# Altium PCB PLD.PcbDoc (part 2 of 5)
Units mm, origin at the board's own origin, x right, y up, seen from the top; angles counter-clockwise.
Board outline 90.25 x 94.44 mm, 6 copper layers (Top, GND, Signal Layer 1, Power, Signal2, Bottom), stack 1.297 mm thick; 378 components, 254 nets, 1301 pads, 704 vias.
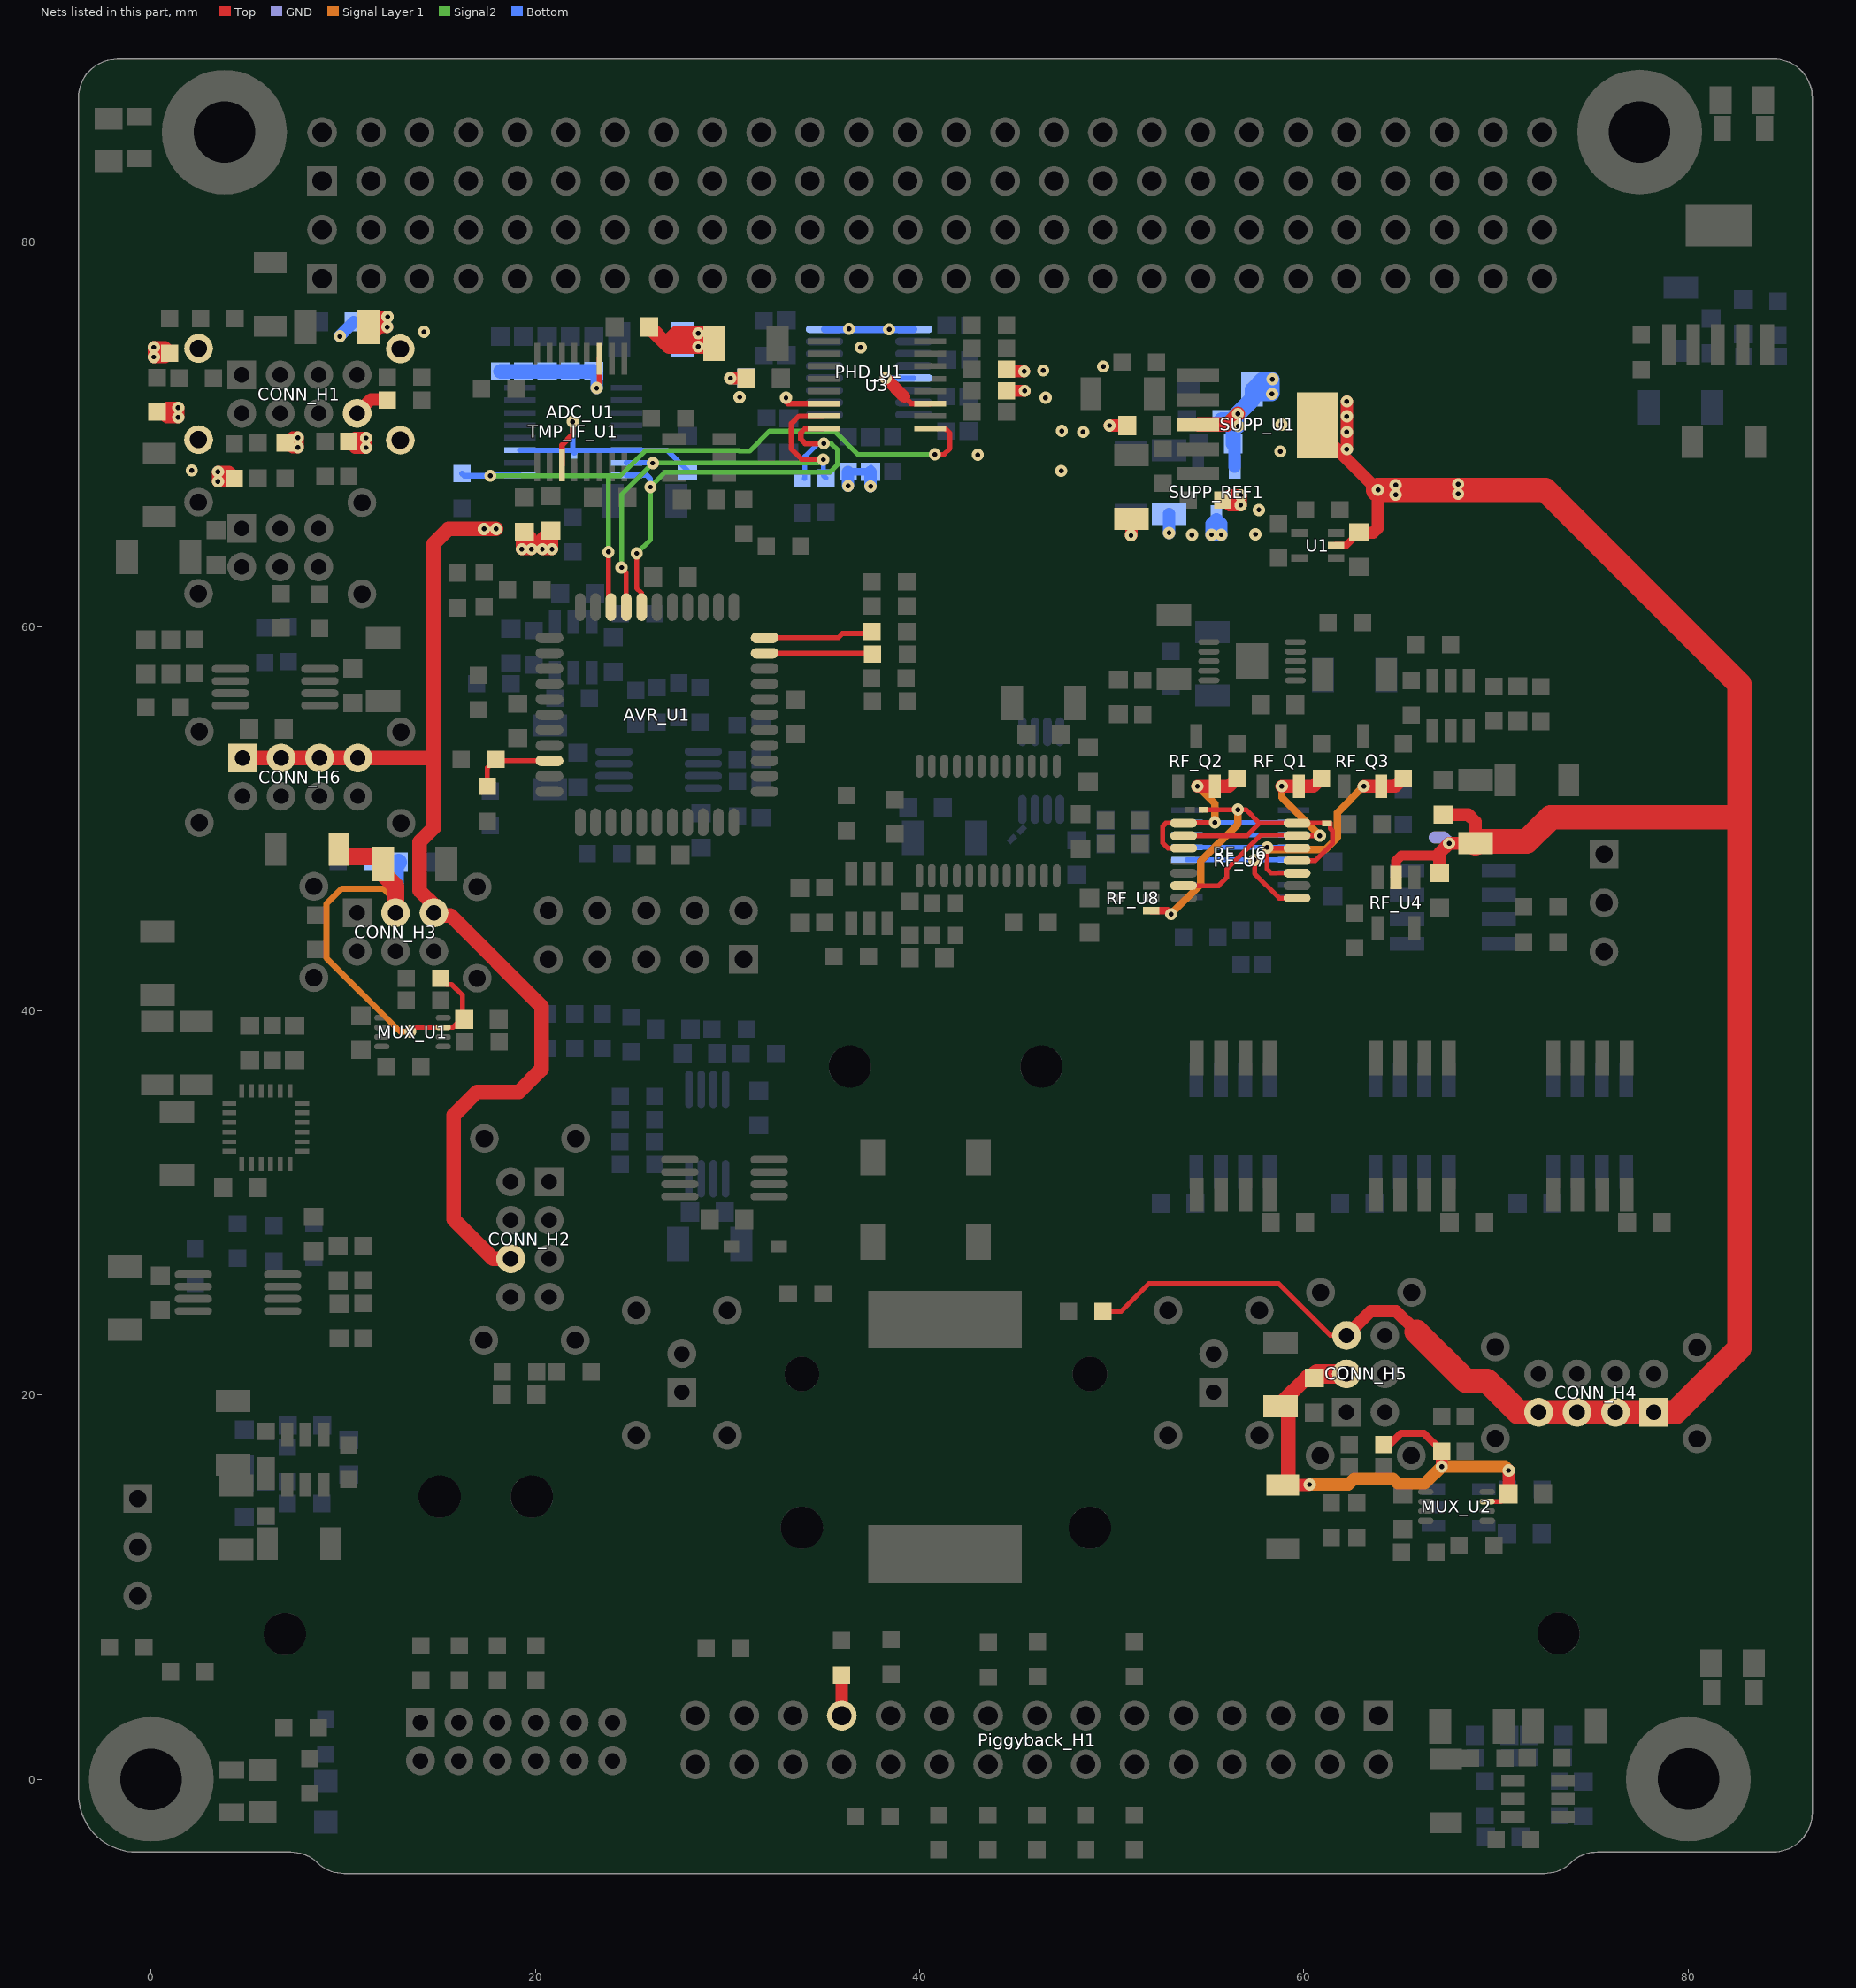
[diagram p6: the nets of this part, all layers, seen from the top]

## Footprints (in the part's own frame and the unit in brackets; to place one, negate y for a bottom-side part, rotate by r counter-clockwise, add the part's x,y. Pads: shape width x height; smd on the part's side, far side on the other; paste and mask are expansions set on the pad) (continued)
SSOP-16 [mm] "SOP, 16-Leads, Body 5x4mm, Pitch 0.635mm, IPC High Density"
  oval 1.95x0.4 smd: 1(-2.325,2.222) 2(-2.325,1.587) 3(-2.325,0.953) 4(-2.325,0.318) 5(-2.325,-0.318) 6(-2.325,-0.953) 7(-2.325,-1.587) 8(-2.325,-2.222) 9(2.325,-2.222) 10(2.325,-1.587) 11(2.325,-0.953) 12(2.325,-0.318) 13(2.325,0.318) 14(2.325,0.953) 15(2.325,1.587) 16(2.325,2.222)
  silkscreen extent -2.45,-2.5 0.95,3.1, body extent -3.13,-2.5 3.13,2.5, height 1.74
Tant_592D_X [mm] "Vishay 592D tantalum series capacitor."
  rect 3x8 smd: 1(-6.1,0) 2(6.1,0)
  silkscreen extent -3.7,-4 4,4, body extent -7.75,-3.8 6.65,3.8, height 2
TI-DCQ [mm] "Texas Instruments DCQ (R-PDSO-G6) package"
  rect 0.7x2.15 smd: 1(-2.6,-3.6) 2(-1.325,-3.6) 3(-0.05,-3.6) 4(1.25,-3.6) 5(2.525,-3.6)
  rect 3.45x2.15 smd: 6(0,2.6)
  silkscreen extent -3.3,-2.15 3.25,1.2, body extent -3.32,-4.07 3.23,3.19, height 1.8
TQFP-44 [mm]
  oval 1.45x0.55 smd: 1(-5.591,4.005) 2(-5.591,3.205) 3(-5.591,2.405) 4(-5.591,1.605) 5(-5.591,0.805) 6(-5.591,0.005) 7(-5.591,-0.795) 8(-5.591,-1.595) 9(-5.591,-2.395) 10(-5.591,-3.195) 11(-5.591,-3.995) 23(5.609,-3.995) 24(5.609,-3.195) 25(5.609,-2.395) 26(5.609,-1.595) 27(5.609,-0.795) 28(5.609,0.005) 29(5.609,0.805) 30(5.609,1.605) 31(5.609,2.405) 32(5.609,3.205) 33(5.609,4.005)
  oval 0.55x1.45 smd: 12(-3.991,-5.595) 13(-3.191,-5.595) 14(-2.391,-5.595) 15(-1.591,-5.595) 16(-0.791,-5.595) 17(0.009,-5.595) 18(0.809,-5.595) 19(1.609,-5.595) 20(2.409,-5.595) 21(3.209,-5.595) 22(4.009,-5.595) 34(4.009,5.605) 35(3.209,5.605) 36(2.409,5.605) 37(1.609,5.605) 38(0.809,5.605) 39(0.009,5.605) 40(-0.791,5.605) 41(-1.591,5.605) 42(-2.391,5.605) 43(-3.191,5.605) 44(-3.991,5.605)
  silkscreen extent -5.72,-4.45 4.46,4.95, body extent -6,-6 6,6, height 1.07
TSSOP8_L [mm] "TSSOP, 8-Leads, Pitch 0.65mm, IPC High Density"
  oval 1.95x0.4 smd: 1(-2.325,2.222) 2(-2.325,1.587) 3(-2.325,0.953) 4(-2.325,0.318) 5(2.325,0.318) 6(2.325,0.953) 7(2.325,1.587) 8(2.325,2.222)
  silkscreen extent -1.52,0 1.02,3.05, body extent -2.5,-0.28 2.5,2.82, height 1.1
TSSOP14 [mm] "TSSOP, 14-Leads, Body 5.00x4.40mm, Pitch 0.65mm, IPC Medium Density"
  oval 1.4x0.45 smd: 1(-2.95,1.95) 2(-2.95,1.3) 3(-2.95,0.65) 4(-2.95,0) 5(-2.95,-0.65) 6(-2.95,-1.3) 7(-2.95,-1.95) 8(2.95,-1.95) 9(2.95,-1.3) 10(2.95,-0.65) 11(2.95,0) 12(2.95,0.65) 13(2.95,1.3) 14(2.95,1.95)
  silkscreen extent -3.07,-2.55 1.85,2.85, body extent -3.2,-2.55 3.2,2.55, height 1.2
TSSOP16 [mm] "Shrink Small Outline; 16 Leads; Body Width 4.4 mm; Pitch 0.65 mm"
  rect 0.3x1.65 smd: 1(-2.275,-2.775) 2(-1.625,-2.775) 3(-0.975,-2.775) 4(-0.325,-2.775) 5(0.325,-2.775) 6(0.975,-2.775) 7(1.625,-2.775) 8(2.275,-2.775) 9(2.275,2.775) 10(1.625,2.775) 11(0.975,2.775) 12(0.325,2.775) 13(-0.325,2.775) 14(-0.975,2.775) 15(-1.625,2.775) 16(-2.275,2.775)
  silkscreen extent -3.1,-2.9 2.55,1.55, body extent -2.5,-3.2 2.5,3.2, height 1.1
TSSOP-24-RU-24-N [mm] "24-Lead Thin Shrink Small Outline Package TSSOP (RU-24) High density"
  oval 1.2x0.4 smd: 1(-2.85,3.575) 2(-2.85,2.925) 3(-2.85,2.275) 4(-2.85,1.625) 5(-2.85,0.975) 6(-2.85,0.325) 7(-2.85,-0.325) 8(-2.85,-0.975) 9(-2.85,-1.625) 10(-2.85,-2.275) 11(-2.85,-2.925) 12(-2.85,-3.575) 13(2.85,-3.575) 14(2.85,-2.925) 15(2.85,-2.275) 16(2.85,-1.625) 17(2.85,-0.975) 18(2.85,-0.325) 19(2.85,0.325) 20(2.85,0.975) 21(2.85,1.625) 22(2.85,2.275) 23(2.85,2.925) 24(2.85,3.575)
  silkscreen extent -2.97,-3.95 1.85,4.45, body extent -3.19,-3.95 3.19,3.95, height 1.1
VSSOP-8 [mm] "TSSOP, 8-Leads, Body 2,00x2,30mm, Pitch 0,50mm, IPC Medium Density"
  oval 0.8x0.3 smd: 1(-1.6,0.75) 2(-1.6,0.25) 3(-1.6,-0.25) 4(-1.6,-0.75) 5(1.6,-0.75) 6(1.6,-0.25) 7(1.6,0.25) 8(1.6,0.75)
  silkscreen extent -1.72,-1.05 0.8,1.57, body extent -1.6,-1.05 1.6,1.05, height 0.9

## Part data
ADC_C1 ADC_C2 ADC_C3 ADC_C4 ADC_C6 ADC_C7 ADC_C8 RF_C1 RF_C2 RF_C3 RF_C5 RF_C7 RF_C8 RF_C9 RF_C10 RF_C13 RF_C15 RF_C17 RF_C18 RF_C19 "RF_C22_LCL 3V3d" "RF_C22_LCL 5V": Package=0603
ADC_C5 ADC_C12 ADC_C13 ADC_MUX_C1 AVR_C1 AVR_C2 AVR_C3 AVR_C4 AVR_C6 "Flash_C1_Flash Memory 1" "Flash_C1_Flash Memory 2" "Flash_C1_Flash Memory 3" "FRAM_C1_FRAM Memory 1" "FRAM_C1_FRAM Memory 2" "FRAM_C1_FRAM Memory 3" Gyro_C3 Gyro_C4 Gyro_C5 "I10_I2C Repeater for Gyro" "I10_I2C Repeater for PLD" "I10_I2C Repeater for RTC" "I10_I2C Repeater for SunS" "I11_I2C Repeater for Gyro" "I11_I2C Repeater for PLD" "I11_I2C Repeater for RTC" "I11_I2C Repeater for SunS" LI_C1 MUX_C1 MUX_C2 MUX_C3 MUX_C4 MUX_C5 PHD_C1 PHD_C2 PHD_C3 PHD_C4 PHD_C6 PHD_C8 RF_C11 RF_C20 RF_C21 RTC_C1 SUPP_C3 SUPP_C4 SUPP_C5 SUPP_C9 SUPP_C12 SUPP_C13 SUPP_C15 SUPP_C16 SUPP_C18 SUPP_C19 SUPP_C21 SUPP_C23 SUPP_C25 SUPP_C26 SUPP_C28 SUPP_C29 SUPP_C31 SUPP_C32 TMP_IF_C1 TMP_LMT_C1: library part Cer_C0603T104K5RALTU, "Ceramic Cap Kemet COTS 100n/50V X7R 0603", Manufacturer=Kemet, ManufacturerPartNumber=C0603T104K5RALTU, Package=0603
ADC_C10 ADC_C11 Gyro_C1 Gyro_C2 "I12_I2C Repeater for Gyro" "I12_I2C Repeater for PLD" "I12_I2C Repeater for RTC" "I12_I2C Repeater for SunS" PHD_C5: library part Cer_C1206T105K3RALTU, "Ceramic Cap Kemet COTS 1u/25V X7R 1206", Manufacturer=Kemet, ManufacturerPartNumber=C1206T105K3RALTU, Package=1206
ADC_J1 ADC_J2 RF_J1 RF_J2 RF_J3: library part 2way, ComponentLink1Description=Source, ComponentLink1URL=http://www.edatools.cz/addons, FootprintNote="LP=12mil, MP=40mil, HP=120mil"
ADC_MUX_R1 ADC_R1 ADC_R2 ADC_R3 ADC_R4 AP_R1 AP_R2 AP_R3 AP_R4 AP_R5 AP_R6 AP_R7 AP_R8 CONN_R5 Gyro_R2 HK_R1 HK_R2 HK_R3 HK_R4 "I3_I2C Repeater for Gyro" "I3_I2C Repeater for PLD" "I3_I2C Repeater for RTC" "I3_I2C Repeater for SunS" "I4_I2C Repeater for Gyro" "I4_I2C Repeater for PLD" "I4_I2C Repeater for RTC" "I4_I2C Repeater for SunS" "I6_I2C Repeater for Gyro" "I6_I2C Repeater for PLD" "I6_I2C Repeater for RTC" "I6_I2C Repeater for SunS" "I7_I2C Repeater for Gyro" "I7_I2C Repeater for PLD" "I7_I2C Repeater for RTC" "I7_I2C Repeater for SunS" MCU_R1 MCU_R2 MCU_R3 MCU_R4 MCU_R5 MCU_R6 MCU_R7 MCU_R8 MCU_R9 MCU_R10 MCU_R11 MCU_R12 MCU_R13 MCU_R14 MCU_R15 MCU_R16 MCU_R17 MCU_R18 MCU_R19 MEM_R1 MEM_R2 MEM_R3 MEM_R4 MEM_R5 MEM_R6 MEM_R7 MEM_R8 MEM_R9 MUX_R1 MUX_R2 OBC_R1 PG_R1 PHD_R1 PHD_R2 PHD_R3 PHD_R4 PHD_R5 PHD_R6 RF_R1 RF_R2 RF_R3 RF_R4 RF_R5 RF_R6 RF_R7 "RF_R8_LCL 3V3d" "RF_R8_LCL 5V" "RF_R9_LCL 3V3d" "RF_R9_LCL 5V" RF_R10 RF_R11 RF_R12 RF_R13 RF_R14 RF_R15 RF_R16 RF_R17 RF_R18 "RF_R19_LCL 3V3d" "RF_R19_LCL 5V" "RF_R20_LCL 3V3d" "RF_R20_LCL 5V" RF_R23 RF_R24 RF_R25 RF_R26 RF_R27 SunSref_R1 SunSref_R2 SunSref_R3 SunSref_R4 SunSref_R5 SunSref_R6 SunSref_R7 SunSref_R8 SunSref_R9 SunSref_R10 SUPP_R3 SUPP_R10 SUPP_R11 TMPI_R1: library part Res, Package=0603
ADC_R6 TMP_LMT_R1: library part CRCW0603100RFKxxxx, "100R/1% Vishay CRCW 0603 Resistor. 100mW, 100ppm, 75V.", Manufacturer=Vishay, Package=0603, ManufacturerPartNumber=CRCW0603100RFKxxxx
ADC_U1: "ADC128S022 8-Channel, 50 kSPS to 200 kSPS, 12-Bit A/D Converter", Manufacturer="Texas Instruments", Category=ADC, ManufacturerPartNumber=ADC128S022CIMTX
ADC_U2 MUX_U3: "TinyLogic UHS Two-Input NAND Gate.", Manufacturer="Fairchild Semiconductor"
AVR_P1: "Header, 5-Pin, Dual row", LatestRevisionDate=17-Jul-2002, LatestRevisionNote="Re-released for DXP Platform.", Publisher="Altium Limited"
AVR_U1: "General-purpose microcontroller"
CONN_C1 CONN_C2 CONN_C3 CONN_C4: library part Cer_C0805T104K1RCLTU, "Ceramic Cap Kemet COTS 100n/100V X7R 0805", Manufacturer=Kemet, ManufacturerPartNumber=C0805T104K1RCLTU, Package=0805
CONN_H1 CONN_H2 CONN_H4 CONN_H6: library part Harwin_Datamate_L-Tek_2x4pin, "Harwin DataMate L-Tek, 2mm pitch, 2x4pin."
CONN_H3 CONN_H5 CONN_H10: library part Harwin_Datamate_L-Tek_2x3pin, "Harwin DataMate L-Tek, 2mm pitch, 2x3pin."
CONN_H7: library part Harwin_Datamate_L-Tek_2x6pin_W/O_RETAINING_STRAP, "Harwin DataMate L-Tek, 2mm pitch, 2x6pin."
CONN_H8 CONN_H9: library part Harwin_Datamate_L-Tek_1x2pin, "Harwin DataMate L-Tek, 2mm pitch, 1x2pin."
CONN_P1 P1: "Header, 3-Pin", LatestRevisionDate=17-Jul-2002, LatestRevisionNote="Re-released for DXP Platform.", Publisher="Altium Limited"
CONN_R1 CONN_R2 CONN_R3 CONN_R4: library part CRCW08051K00FKxxxx, "1k/1% Vishay CRCW 0805 Resistor. 125mW, 100ppm, 150V.", Manufacturer=Vishay, Package=0805, ManufacturerPartNumber=CRCW08051K00FKxxxx
"Flash_U1_Flash Memory 1" "Flash_U1_Flash Memory 2" "Flash_U1_Flash Memory 3": library part N25Q128A13ESE40G, "128Mbit, 3V Serial NOR Flash Memory", Manufacturer=Micron, ManufacturerPartNumber=N25Q128A13ESE40G
FS_U1: "20V, 200mA, Ultralow Noise, Ultrahigh PSRR RF Linear Regulator", ComponentLink1Description="Manufacturer URL", ComponentLink1URL=http://www.linear.com/, ComponentLink2Description=Datasheet, ComponentLink2URL=http://cds.linear.com/docs/en/datasheet/3042fa.pdf, PartNumber=LT3042
Gyro_FB1: library part BLM31PG121SH1L, "Ferrite bead, 1206, 0.02HM, 3.5A.", Current Rating=3.5A, Manufacturer=Murata, Package=1206, Series Resistance DC=0.02R, ManufacturerPartNumber=BLM31PG121SH1L
Gyro_R1: library part ERJ-8BQFR22V, "Panasonic Resistor 0.22R 1% 1206 330mW", Manufacturer=Panasonic, Package=1206, ManufacturerPartNumber=ERJ-8BQFR22V
H1 H2: library part Samtec_SSQ-126-xx-x-D, "Samtec SSQ Series Header , 2.54mm pitch, 2x26pin. PC-104 Stack Connector.", HelpUrl=http://suddendocs.samtec.com/catalog_english/ssq_th.pdf
"I1_I2C Repeater for Gyro" "I1_I2C Repeater for PLD" "I1_I2C Repeater for RTC" "I1_I2C Repeater for SunS" "I2_I2C Repeater for Gyro" "I2_I2C Repeater for PLD" "I2_I2C Repeater for RTC" "I2_I2C Repeater for SunS": library part CRCW06034K70FKxxxx, "4.7k/1% Vishay CRCW 0603 Resistor. 100mW, 100ppm, 75V.", Manufacturer=Vishay, Package=0603, ManufactuerPartNumber=CRCW06034K70FKxxxx
"I5_I2C Repeater for Gyro" "I5_I2C Repeater for PLD" "I5_I2C Repeater for RTC" "I5_I2C Repeater for SunS": "Level-Translating I2C Bus Repeater", Manufacturer="Texas Instruments", ManufacturerPartNumber=PCA9517
"I8_I2C Repeater for Gyro" "I8_I2C Repeater for PLD" "I8_I2C Repeater for RTC" "I8_I2C Repeater for SunS" "I9_I2C Repeater for Gyro" "I9_I2C Repeater for PLD" "I9_I2C Repeater for RTC" "I9_I2C Repeater for SunS": library part Cer_GCM1885C1H100JA16D, "Ceramic Cap Murata Automotive 10p/50V C0G 0603", Manufacturer=Murata, ManufacturerPartNumber=GCM1885C1H100JA16D, Package=0603
LI_R1 LI_R2 R1 SUPP_R7: library part CRCW060310K0FKxxxx, "10k/1% Vishay CRCW 0603 Resistor. 100mW, 100ppm, 75V.", Manufacturer=Vishay, Package=0603, ManufacturerPartNumber=CRCW060310K0FKxxxx
MNT1 MNT2 MNT3 MNT4: library part MntHole, "PCB Mounting Hole"
MUX_R3 MUX_R4 MUX_R5 MUX_R6 MUX_R7 MUX_R8 MUX_R9 MUX_R10 MUX_R11 MUX_R12 MUX_R13 MUX_R14 MUX_R15 MUX_R16: library part Res
MUX_U1 MUX_U2: "2-Bit Bidirectional Voltage-Level Translator  for Open-Drain and Push-Pull Applications", Manufacturer="Texas Instruments", ComponentLink1Description=Description, ComponentLink1URL=http://www.ti.com/lit/ds/symlink/txs0102-q1.pdf, HelpUrl=http://www.ti.com/lit/ds/symlink/txs0102-q1.pdf
OBC_D1: "Typical LED"
PHD_U1: "Rail-to-rail, quad operational amplifier. Library compatible with LTC608X LTC607X op-amps", Manufacturer="Linear Technology"
Piggyback_H1: library part Samtec_ESQ-115-xx-x-D, "Samtec ESQ Series Header , 2.54mm pitch, 2x15pin. PC-104 Stack Connector.", HelpUrl=http://suddendocs.samtec.com/catalog_english/esq_th.pdf
RF_C4 RF_C6 RF_C12 RF_C14 RF_C16: Package=1206
RF_FB1 SUPP_FB1 SUPP_FB2 SUPP_FB3 SUPP_FB4 SUPP_FB5 SUPP_FB6 SUPP_FB7 SUPP_FB8 SUPP_FB9: library part FerriteBead, "Ferrite Bead", Manufacturer=Murata, ManufacturerPartNumber=BLM31BE601SN1L, HelpUrl=http://www.mouser.com/ds/2/281/c31e-794748.pdf, Mouser=81-BLM31B601S, Supplier 1=Mouser
RF_Q1 RF_Q2 RF_Q3: "JFET, P-Channel, 3-Pin SOT-23, Pb-Free, Tape and Reel", Manufacturer="On Semiconductor", ComponentLink1Description="Manufacturer URL", ComponentLink1URL=http://www.onsemi.com/, ComponentLink2Description=Datasheet, ComponentLink2URL=http://www.onsemi.com/pub_link/Collateral/MMBFJ177LT1-D.PDF, ComponentLink3Description="Package Specification", Mounting Technology="Surface Mount", PackageDescription="3-Pin Small Outline Transistor, Body 2.92 x 1.3 mm, Pitch 0.95 mm", PartNumber=MMBFJ270, RoHS=Pb-Free
RF_R21 RF_R22 RF_R28: library part Res2, "Resistor", LatestRevisionDate=17-Jul-2002, LatestRevisionNote="Re-released for DXP Platform.", PackageDescription="Axial Device, Thru-Hole; 2 Leads; 0.4 in Pin Spacing", PackageReference=AXIAL-0.4, Published=8-Jun-2000, Publisher="Altium Limited"
RF_U1: "5 Channel 24-Bit Signal Conditioning Analog-to-Digital Converter with Serial, SPI Interface, 500 uA, CMOS, 3 V / 5 V, 1KSPS, -40 to +105 degC, RW-24, Pb-Free, Tube", Generic Part Number=AD7714, Manufacturer="Analog Devices", Supplier Part Number 1=AD7714YRZ-ND, Channels=5, Code_JEDEC=MS-013-AD, ComponentLink1Description="Manufacturer URL", ComponentLink1URL=http://www.analog.com/en/index.html, ComponentLink2Description=Datasheet, ComponentLink2URL=http://www.analog.com/static/imported-files/data_sheets/AD7714.pdf, ComponentLink3Description="Package Specification", ComponentLink3URL=http://www.analog.com/static/imported-files/packages/33665150946139RW_24.pdf, ComponentLink4Description="Product URL", ComponentLink4URL=http://www.analog.com/en/analog-to-digital-converters/ad-converters/ad7714/products/product.html, DatasheetVersion=Rev.C, Interface="Ser, SPI", Mounting Technology="Surface Mount", PackageDescription="24-Lead Standard Small Outline Package [SOIC_W]", PackageReference=RW-24, PackageVersion=060706-A, Packing=Tube, PartNumber=AD7714YRZ, Resolution (Bits)=24, RoHS=Y, Supplier 1=Digi-Key, Supplier 2=Farnell, Supplier 3=Newark, Supplier 4=Newark, Supplier 5=Mouser, Supplier Part Number 2=1438858, Supplier Part Number 3=15P0854, Supplier Part Number 4=59K5335, Supplier Part Number 5=584-AD7714YRZ, Throughput Rate (SPS)=1K
RF_U2: "0.25ppm Noise, Low Drift  Precision References", ComponentLink1Description="Manufacturer URL", ComponentLink1URL=http://www.linear.com/, ComponentLink2Description=Datasheet, ComponentLink2URL=http://cds.linear.com/docs/en/datasheet/6655fe.pdf, PartNumber=LTC6655-2.5
RF_U3: library part ISM95-3351AH-1.0000, "Ceramic Crystal 1 MHz, A-Grade 25 ppm/deg"
RF_U4: "Single/Dual Micropower  Zero-Drift Operational Amplifi ers", Manufacturer="Linear Technology"
RF_U6: "CMOS Analog 4-Channel Multiplexer", Manufacturer="Analog Devices", ManufacturerPartNumber=ADG709
RF_U7: "CMOS Dual Complementary Pair Plus Inverter", ComponentLink1Description=Datasheet, ComponentLink1URL=http://www.mouser.com/catalog/specsheets/AT45DB041D.pdf
RF_U8: "CMOS Analog switch", Manufacturer="Analog Devices", ManufacturerPartNumber=ADG849YKSZ
"RF_U9_LCL 3V3d" "RF_U9_LCL 5V" SUPP_U3 SUPP_U4: "Adjustable Current-Limited Power-Distribution Switch.", Manufacturer="Texas Instruments"
RF_U10: "Processor Supervisory Circuits with Window-Watchdog.", Manufacturer="Texas Instruments"
RF_Z1: library part LT1634AIS8-1.25#TRPBF, "Micropower Precision  Shunt Voltage Reference", Manufacturer=Linear, ManufacturerPartNumber=LT1634AIS8-1.25#TRPBF
RTC_C2: library part Tant_592D228X96R3X2T20H, "Vishay 592D Solid Tantalum Chip Capacitors.", Manufacturer=Vishay, ManufacturerPartNumber=592D228X96R3X2T20H
RTC_D1: "Small Signal Fast Switching Diode", Manufacturer=Vishay
RTC_R1 SUPP_R4 SUPP_R5 SUPP_R8 SUPP_R13 TMP_LMT_R2: library part CRCW06031K00FKxxxx, "1k/1% Vishay CRCW 0603 Resistor. 100mW, 100ppm, 75V.", Manufacturer=Vishay, Package=0603, ManufacturerPartNumber=CRCW06031K00FKxxxx
RTC_U1: library part PCF8563, "Real-time clock/calendar", Manufacturer=NXP, HelpUrl=http://www.nxp.com/documents/data_sheet/PCF8563.pdf, ManufacturerPartNumber=PCF8563
RTC_XT1: library part Q13MC30610003, "EPSON MC-306 32.768KHZ 12.5pF Crystal", Manufacturer=Epson, ManufacturerPartNumber=Q13MC30610003
SADS_RTD1: library part PTS060301B100RP100, "PT1000 Vishay PTS060301B100RP100", Manufacturer=Vishay, Package=0603, ManufacturerPartNumber=PTS060301B100RP100
SUPP_C1 SUPP_C2 SUPP_C6 SUPP_C7 SUPP_C8 SUPP_C10 SUPP_C11 SUPP_C14 SUPP_C17 SUPP_C20 SUPP_C22 SUPP_C24 SUPP_C27 SUPP_C30: library part Cer_C1206T106K4RACTU, "Ceramic Cap Kemet COTS 10u/16V X7R 1206", Manufacturer=Kemet, ManufacturerPartNumber=C1206T106K4RACTU, Packge=1206
SUPP_R1 SUPP_R12: library part CRCW0603100KFKxxxx, "100k/1% Vishay CRCW 0603 Resistor. 100mW, 100ppm, 75V.", Manufacturer=Vishay, Package=0603, ManufacturerPartNumber=CRCW0603100KFKxxxx
SUPP_R2: library part CRCW120633R0FKxxxx, "33R/1% Vishay CRCW 1206 Resistor. 250mW, 100ppm, 200V.", Manufacturer=Vishay, Package=1206, ManufacturerPartNumber=CRCW120633R0FKxxxx
SUPP_R6 SUPP_R9 SUPP_R14 SUPP_R15 SUPP_R17 SUPP_R18 SUPP_R20 SUPP_R21: library part CRCW0603470KFKxxxx, "470k/1% Vishay CRCW 0603 Resistor. 100mW, 100ppm, 75V.", Manufacturer=Vishay, Package=0603, ManufacturerPartNumber=CRCW0603470KFKxxxx
SUPP_R16 SUPP_R19: library part CRCW060347K0FKxxxx, "47k/1% Vishay CRCW 0603 Resistor. 100mW, 100ppm, 75V.", Manufacturer=Vishay, Package=0603, ManufacturerPartNumber=CRCW060347K0FKxxxx
SUPP_REF1: library part LM4040CIM3-4.1, "Shunt V-REF, 4.096V, 1%, SOT23-3", Manufacturer="Texas Instruments", HelpUrl=http://www.ti.com/lit/ds/symlink/lm4040-n.pdf, ManufacturerPartNumber=LM4040CIM3-4.1
SUPP_U1 SUPP_U2: library part TPS79601DCQG4, "1A, Ajdustable LDO, Ultralow-Noise, High PSRR, Fast, RF", Manufacturer="Texas Instruments", HelpUrl=http://www.ti.com/lit/ds/slvs351p/slvs351p.pdf, ManufacturerPartNumber=TPS79601DCQG4
TMP_IF_U1 U3: "CMOS Analog 8:1 Multiplexer", Manufacturer="Analog Devices", ManufacturerPartNumber=ADG708
U1: "Analog Temperature Sensors with Class-AB Output"
"U4_FRAM Memory 1" "U4_FRAM Memory 2" "U4_FRAM Memory 3": "256Kb (8k x 32) SPI F-RAM"

## Free pads (board coordinates)
  round 2.2 hole 2.2 unplated: 0(6.954,7.571) 0(15.012,14.715) 0(19.812,14.715) 0(33.864,13.1) 0(36.364,37.1) 0(46.341,37.1) 0(48.86,13.1) 0(73.256,7.589)
  round 1.8 hole 1.8 unplated: 0(33.864,21.1) 0(48.854,21.1)

## Via types
v1: diameter 0.635, hole 0.25, Top to Bottom, 701 vias
v2: diameter 0.7, hole 0.25, Top to Bottom, 3 vias

## Nets (pads, with @x,y where several pads share a name; then routed paths per layer and width w, separated by ;. In a path a pad name is that pad's centre, name@x,y a point inside that pad or via, vN(x,y) a via of type N, cw(c..) or ccw(c..) an arc to the next point about the centre after c; other vN are vias at no path point)
A0: AVR_U1.42 MCU_R5.2 TMP_IF_U1.1 U3.1 | length 37.5
  Top w0.254: v1(23.796,63.882) 23.796,61.144 AVR_U1.42@23.928,61.012 ; U3.1@40.55,70.3 41.341,70.3 41.582,70.06 41.582,69.272 41.271,68.962 v1(40.788,68.962) v1@40.74,68.962
  Top w0.279: v1@40.689,68.911 v1@40.74,68.962
  Signal2 w0.254: v1(17.649,67.844) 23.796,67.844 ; v1(23.796,63.882) 23.796,67.844 ; v1(40.788,68.962) 36.775,68.962 35.562,70.175 32.199,70.175 31.151,69.127 30.614,69.127 30.589,69.152 25.714,69.152 24.405,67.844 23.796,67.844
  Bottom w0.305: MCU_R5.2@16.18,67.956 16.292,67.844 v1(17.649,67.844) 17.679,67.874 TMP_IF_U1.1@19.189,67.874
A1: AVR_U1.40 MCU_R6.2 TMP_IF_U1.16 U3.16 | length 25.7
  Top w0.254: v1(25.269,63.805) 25.269,61.997 25.51,61.756 25.528,61.756 AVR_U1.40@25.528,61.012
  Top w0.279: U3.16@35,70.3 34.03,70.3 33.812,70.082 33.812,69.756 34.041,69.527 v1(35.006,69.527)
  Signal2 w0.254: v1@25.193,63.729 v1(25.269,63.805) 25.993,64.529 25.993,67.247 v1(25.98,67.26) 26.742,68.022 35.327,68.022 35.734,68.428 35.734,69.19 35.397,69.527 v1(35.006,69.527)
  Bottom w0.254: MCU_R6.2@34.007,67.703 34.023,67.703 34.023,68.851 34.699,69.527 v1(35.006,69.527)
  Bottom w0.279: TMP_IF_U1.16@24.739,67.874 25.798,67.874 25.98,67.692 v1(25.98,67.26)
A2: AVR_U1.41 MCU_R7.2 TMP_IF_U1.15 U3.15 | length 24.7
  Top w0.254: v1(24.482,63.069) 24.728,62.823 AVR_U1.41@24.728,61.012
  Top w0.279: v1(34.981,68.689) 34.955,68.714 33.847,68.714 33.33,69.232 33.33,70.571 33.709,70.95 U3.15@35,70.95
  Signal2 w0.254: v1(24.482,63.069) 24.482,66.879 v1(26.107,68.504) 34.796,68.504 v1(34.981,68.689)
  Bottom w0.254: v1(34.981,68.689) 34.981,67.872 MCU_R7.2@35.124,67.728
  Bottom w0.279: TMP_IF_U1.15@24.739,68.524 26.088,68.524 v1(26.107,68.504)
AD7714_C\S\: AVR_U1.33 RF_R27.1 | length 5.7
  Top w0.254: AVR_U1.33@31.928,59.412 35.76,59.412 35.988,59.64 RF_R27.1@37.552,59.64
AD7714_DRDY: AVR_U1.32 RF_R26.1 | length 5.7
  Top w0.254: AVR_U1.32@31.928,58.612 37.462,58.612 RF_R26.1@37.552,58.522
ADC128_C\S\: ADC_R3.2 AVR_U1.9 MCU_R1.2 | length 4.4
  Top w0.254: MCU_R1.2@17.497,51.675 17.497,52.644 ADC_R3.2@17.939,53.087 18.014,53.012 AVR_U1.9@20.728,53.012
ADC_P: RF_J2.2 RF_J3.2 RF_U7.2 RF_U7.11 RF_U7.14 RF_U8.4 | length 22.4
  Top w0.254: RF_U7.2@53.739,49.114 57.035,49.114 57.685,49.764 ; RF_J2.2@54.784,50.47 v1(56.562,50.47) 56.979,50.47 57.685,49.764 ; RF_U7.11@59.639,47.814 60.586,47.814 61.477,48.705 61.477,49.383 61.362,49.497 61.362,49.764 RF_U7.14@59.639,49.764 57.685,49.764
  Top w0.381: RF_U8.4@52.051,45.214 52.902,45.214 v1(53.082,45.035)
  Signal Layer 1 w0.381: v1(53.082,45.035) 54.631,46.584 54.631,46.899 54.623,46.907 54.623,47.786 56.562,49.725 v1(56.562,50.47)
AGND: ADC_C1.2 ADC_C2.2 ADC_C3.2 ADC_C4.2 ADC_C5.2 ADC_C6.2 ADC_C7.2 ADC_C8.2 ADC_C10.2 ADC_J1.1 ADC_MUX_C1.2 ADC_U1.3 ADC_U1.11 CONN_H1.0 CONN_H1.8 CONN_H2.7 CONN_H3.3 CONN_H4.1 CONN_H4.2 CONN_H4.3 CONN_H4.4 CONN_H5.3 CONN_H6.1 CONN_H6.2 CONN_H6.3 CONN_H6.4 CONN_R5.1 HK_R3.2 HK_R4.2 PHD_C5.2 PHD_C6.1 PHD_C8.2 PHD_R5.2 PHD_U1.8 PHD_U1.9 PHD_U1.13 RF_C8.2 RF_J1.1 RF_U4.2 SADS_RTD1.1 SunSref_R2.1 SunSref_R4.1 SunSref_R6.1 SunSref_R8.1 SunSref_R10.1 SUPP_C1.2 SUPP_C2.2 SUPP_C3.2 SUPP_C4.2 SUPP_C5.2 SUPP_C6.2 SUPP_C7.2 SUPP_C23.1 SUPP_C24.2 SUPP_C25.1 SUPP_R7.2 SUPP_REF1.2 SUPP_REF1.3 SUPP_U1.3 SUPP_U1.6 TMP_IF_C1.2 TMP_IF_U1.3 TMP_IF_U1.14 TMP_LMT_C1.2 U1.2 U3.3 U3.14 | length 284.2
  Top w0.254: SADS_RTD1.1@49.461,24.029 SADS_RTD1.1@49.755,24.029 ; SADS_RTD1.1@49.537,24.359 50.491,24.359 51.926,25.794 58.683,25.794 61.376,23.101 CONN_H5.3@62.214,23.101
  Top w0.279: ADC_U1.11@21.379,68.389 21.379,69.442 21.942,70.005 v1(21.942,70.663) ; v1@33.027,71.709 33.136,71.6 U3.14@35,71.6 ; v1(38.232,72.931) v1@38.409,72.931 ; 39.197,71.966 39.562,71.6 U3.3@40.55,71.6
  Top w0.305: v1(23.186,72.416) 23.271,72.416 23.329,72.358 ADC_U1.3@23.329,73.939
  Top w0.381: U1.2@61.663,64.212 62.195,64.212 TMP_LMT_C1.2@62.861,64.878
  Top w0.508: RF_U4.2@64.792,46.947 64.792,47.804 65.071,48.083 66.798,48.083 67.052,47.829
  Top w0.635: SunSref_R4.1@7.163,69.647 7.163,69.524 7.358,69.33 v1(7.637,69.33) 7.637,69.728 7.548,69.728 v1@7.442,69.621 ; SunSref_R4.1@7.358,69.836 v1(7.637,69.836) ; CONN_H1.8@10.714,71.101 11.43,71.817 SunSref_R2.1@12.289,71.817 ; SUPP_C7.2@11.502,76.124 v1(12.301,76.124) ; SUPP_C7.2@11.528,75.489 11.68,75.337 11.934,75.591 v1(12.29,75.591) ; v1(30.146,72.924) 30.153,72.931 ADC_MUX_C1.2@30.982,72.931 ; v1(38.232,72.931) 39.197,71.966 ; HK_R4.2@44.517,72.27 45.455,72.27 v1(45.462,72.264) ; HK_R3.2@44.517,73.388 44.625,73.28 v1(45.437,73.28) ; v1(49.882,70.46) SUPP_C5.2@50.81,70.46 ; v1(50.999,64.745) 51.025,64.771 SUPP_C6.2@51.025,65.609 SUPP_C6.2@51.025,65.838 ; SUPP_U1.6@60.701,70.471 60.701,70.258 v1(63.852,67.107) 63.852,65.126 63.603,64.878 TMP_LMT_C1.2@62.861,64.878 ; CONN_H5.3@62.214,23.101 63.485,24.372 64.796,24.372 65.867,23.301 ; v1(62.231,69.23) v1(62.231,70.13) v1(62.231,70.943) v1(62.231,71.713) ; v1(0.138,74.029) 0.138,74.533 0.709,74.533 0.961,74.281 0.709,74.029 v1(0.138,74.029) ; SunSref_R8.1@0.58,71.135 0.832,71.387 1.403,71.387 v1(1.403,70.883) 0.832,70.883 SunSref_R8.1@0.58,71.135 ; v1(3.475,67.55) v1(3.475,68.056) 4.047,68.054 4.299,67.802 4.047,67.55 v1(3.475,67.55) ; SunSref_R10.1@10.359,69.56 10.611,69.812 11.182,69.812 v1(11.182,69.308) 10.611,69.308 SunSref_R10.1@10.359,69.56 ; v1(19.291,64.024) 19.795,64.024 19.795,64.595 19.543,64.847 19.291,64.595 v1(19.291,64.024) ; v1@20.358,64.024 v1(20.862,64.024) 20.862,64.595 20.61,64.847 20.358,64.595 v1@20.358,64.024 ; SUPP_R7.2@55.885,66.574 56.137,66.826 56.709,66.826 v1(56.709,66.322) 56.137,66.322 SUPP_R7.2@55.885,66.574 ; v1@63.952,67.108 64.204,67.359 64.775,67.359 64.775,67.107 v1(64.775,66.856) 64.204,66.856 v1@63.952,67.107 ; 67.203,67.158 67.455,67.41 68.026,67.41 68.026,67.107 v1(68.026,66.906) 67.455,66.906 67.254,67.107 67.203,67.158
  Top w0.66: RF_C8.2@67.052,47.179 67.052,47.829 67.052,48.211 v1(67.56,48.719) SUPP_C24.2@68.932,48.719 68.932,49.835 68.562,50.205 SUPP_C25.1@67.255,50.205
  Top w0.762: CONN_H6.1@4.756,53.165 CONN_H6.2@6.756,53.165 CONN_H6.3@8.756,53.165 CONN_H6.4@10.756,53.165 14.714,53.165 ; v1(17.958,65.075) v1(17.319,65.075) 15.465,65.075 14.714,64.325 14.714,53.165 ; CONN_H2.7@18.714,27.101 17.777,27.101 15.744,29.134 15.744,34.57 16.951,35.777 19.135,35.777 20.316,36.958 20.316,40.236 15.58,44.972 14.843,44.972 CONN_H3.3@14.714,45.101 14.714,45.506 13.966,46.254 13.966,48.794 14.714,49.542 14.714,53.165 ; ADC_C5.2@25.922,75.598 26.792,74.727 ; SUPP_U1.3@54.501,70.521 56.013,70.521 v1(56.562,71.07) ; 26.792,74.727 27.326,75.261 v1(28.469,75.261) 28.775,75.261 PHD_C5.2@29.309,74.727 29.156,74.575 v1(28.469,74.575) 26.945,74.575 26.792,74.727
  Top w1.27: v1(63.852,67.107) 63.952,67.107 64.775,67.107 67.254,67.107 68.026,67.107 72.567,67.107 82.673,57.002 82.673,50.063 ; 65.867,23.301 68.432,20.736 69.533,20.736 71.167,19.101 CONN_H4.4@72.214,19.101 CONN_H4.3@74.214,19.101 CONN_H4.2@76.214,19.101 CONN_H4.1@78.214,19.101 79.335,19.101 82.673,22.439 82.673,50.063 ; SUPP_C24.2@68.932,48.719 69.032,48.819 71.603,48.819 72.847,50.063 82.673,50.063
  GND w0.66: RF_J1.1@66.823,49.023 67.256,49.023 v1(67.56,48.719)
  Bottom w0.279: TMP_IF_U1.3@19.189,69.174 ADC_J1.1@21.942,69.174 ; v1(21.942,70.663) ADC_J1.1@21.942,69.174 ; ADC_J1.1@22.025,69.034 21.942,69.117 ADC_J1.1@21.942,69.174 ; TMP_IF_C1.2@27.911,68.112 26.849,69.174 TMP_IF_U1.14@24.739,69.174 ADC_J1.1@21.942,69.174 ; v1(38.232,72.931) 38.234,72.933 PHD_U1.13@39.694,72.933
  Bottom w0.381: PHD_U1.8@35.044,75.473 v1(38.41,75.471) v1(38.41,75.471) PHD_U1.9@39.694,75.473 PHD_U1.9@39.694,75.473 ; PHD_R5.2@36.266,68.057 37.307,68.057 PHD_C8.2@37.46,68.21
  Bottom w0.635: v1(9.826,75.108) 9.826,75.148 SUPP_C23.1@10.533,75.855 ; ADC_C1.2@23.025,73.288 23.186,73.126 v1(23.186,72.416) ; v1(30.146,72.924) 30.153,72.931 PHD_C6.1@30.982,72.931 ; PHD_R5.2@36.266,68.057 36.266,67.327 v1(36.276,67.317) ; PHD_C8.2@37.434,68.057 37.434,67.302 v1(37.444,67.292) ; v1(52.98,64.872) SUPP_C1.2@52.98,65.864 ; SUPP_C4.2@56.319,69.52 56.394,69.445 SUPP_REF1.2@56.394,68.316 ; v1(55.192,64.772) 55.696,64.772 55.696,65.344 55.444,65.596 55.192,65.344 v1(55.192,64.772)
  Bottom w0.762: ADC_C6.2@18.177,73.288 ADC_C4.2@19.391,73.288 ADC_C3.2@20.604,73.288 ADC_C2.2@21.818,73.288 ADC_C1.2@23.025,73.288 ; SUPP_C3.2@55.698,70.74 56.319,70.74 ; SUPP_C3.2@55.709,70.765 56.257,70.765 ; v1(56.587,70.435) v1@56.587,71.044 ; SUPP_C2.2@57.297,71.805 SUPP_C2.2@57.297,72.34 ; SUPP_C2.2@57.297,72.34 57.526,72.111 v1(58.34,72.111) 58.365,72.137 v1(58.365,72.873) 57.831,72.873 SUPP_C2.2@57.297,72.34 ; ADC_C10.2@27.656,74.956 28.037,74.575 v1(28.469,74.575) v1(28.469,75.261) 27.96,75.261 ADC_C10.2@27.656,74.956
  Bottom w0.8: SUPP_C4.2@56.319,69.52 v1@56.319,70.435
  Bottom w0.85: 56.257,70.765 v1(56.562,71.07) SUPP_C2.2@57.297,71.805
  other v1: 19.8,64.024 20.354,64.024 54.174,64.771 55.698,64.772 57.476,64.796 57.654,66.066 56.709,66.828 64.775,67.361 68.026,67.412 47.367,68.098 2.104,68.123 43.024,68.936 58.772,69.114 11.182,69.816 48.51,70.13 47.392,70.181 58.822,70.511 1.403,71.389 33.041,71.908 46.554,71.908 30.628,71.933 46.427,73.33 49.551,73.534 0.138,74.536 36.928,74.524 14.195,75.337 36.327,75.496
BU_VIN: PG_R1.1 Piggyback_H1.23 | length 2.1
  Top w0.635: PG_R1.1@35.937,5.425 35.937,3.323 Piggyback_H1.23@35.944,3.316
C_DIODE_0-2: RF_U6.4 RF_U6.13 RF_U7.8 | length 9
  Top w0.254: v1(57.425,47.854) 57.425,47.143 58.704,45.864 RF_U7.8@59.639,45.864
  Bottom w0.254: RF_U6.4@53.914,47.852 RF_U6.13@59.464,47.852
C_MOS_0: RF_Q1.2 RF_R16.1 RF_U6.6 RF_U6.11 RF_U7.6 RF_U7.13 | length 21
  Top w0.254: RF_U7.6@53.739,46.514 55.563,46.514 55.982,46.934 55.982,47.376 57.756,49.15 59.604,49.15 RF_U7.13@59.639,49.114 v1(60.829,49.114)
  Top w0.66: v1(58.848,51.689) RF_Q1.2@59.747,51.689 60.495,51.689 RF_R16.1@60.905,52.099
  Signal Layer 1 w0.381: v1(58.848,51.689) 58.848,51.096 v1(60.829,49.114)
  Bottom w0.254: RF_U6.6@53.914,49.152 RF_U6.11@59.464,49.152 60.791,49.152 v1(60.829,49.114)
C_MOS_1: RF_Q2.2 RF_R17.1 RF_U6.7 RF_U6.10 RF_U7.1 RF_U7.3 | length 14.9
  Top w0.254: RF_U7.3@53.739,48.464 52.915,48.464 52.65,48.729 52.65,49.607 52.808,49.764 RF_U7.1@53.739,49.764 53.776,49.802 v1(55.368,49.802)
  Top w0.66: v1(54.454,51.689) 56.101,51.689 RF_R17.1@56.511,52.099
  Signal Layer 1 w0.381: v1(54.454,51.689) 55.368,50.775 v1(55.368,49.802)
  Bottom w0.254: RF_U6.7@53.914,49.802 v1(55.368,49.802) RF_U6.10@59.464,49.802
C_MOS_2: RF_Q3.2 RF_R18.1 RF_U6.5 RF_U6.12 RF_U7.10 RF_U7.12 | length 19.3
  Top w0.254: RF_U7.10@59.639,47.164 58.293,47.164 58.086,47.372 v1(58.086,48.502) 58.123,48.464 RF_U7.12@59.639,48.464
  Top w0.66: v1(63.115,51.689) RF_Q3.2@64.014,51.689 64.762,51.689 RF_R18.1@65.172,52.099
  Signal Layer 1 w0.381: v1(58.086,48.502) 58.2,48.388 61.108,48.388 61.743,49.023 61.743,50.318 v1(63.115,51.689)
  Bottom w0.254: RF_U6.5@53.914,48.502 v1(58.086,48.502) RF_U6.12@59.464,48.502
CAM_NADIR_3V3: CONN_H5.2 MUX_C2.1 MUX_R7.1 MUX_R8.1 MUX_U2.7 SUPP_C14.1 SUPP_C15.1 SUPP_FB4.2 | length 28.3
  Top w0.254: MUX_U2.7@69.541,14.46 70.248,14.46 MUX_C2.1@70.648,14.86
  Top w0.381: MUX_R7.1@64.167,17.425 64.461,17.425 65.045,18.009 66.254,18.009 MUX_R8.1@67.179,17.084
  Top w0.508: SUPP_C14.1@58.787,19.422 SUPP_C14.1@58.787,19.548 ; v1@60.269,15.316 v1(60.296,15.342)
  Top w0.635: SUPP_FB4.2@58.899,15.316 v1@60.269,15.316 ; v1(67.179,16.282) MUX_R8.1@67.179,17.084 ; MUX_C2.1@70.648,14.86 70.648,16.068 v1(70.659,16.079)
  Top w0.762: SUPP_C14.1@58.787,19.422 59.178,19.031 59.178,15.595 SUPP_FB4.2@58.899,15.316 ; SUPP_C14.1@58.787,19.548 60.184,20.945 SUPP_C15.1@60.542,20.945
  Top w1.016: SUPP_C15.1@60.542,20.945 60.698,21.101 CONN_H5.2@62.214,21.101
  Signal Layer 1 w0.635: v1(60.296,15.342) 62.302,15.342 62.607,15.647 64.631,15.647 64.88,15.398 66.295,15.398 v1(67.179,16.282) 70.456,16.282 v1(70.659,16.079)
  Bottom w1.016: CONN_H5.2@61.987,21.083 62.11,21.205 CONN_H5.2@62.214,21.101
CAM_WING_3V3: CONN_H3.2 MUX_C1.1 MUX_R1.2 MUX_R2.2 MUX_U1.7 SUPP_C8.1 SUPP_C9.1 SUPP_FB2.2 | length 28.8
  Top w0.254: v1(13.483,38.913) 13.709,39.139 MUX_U1.7@15.2,39.139 15.704,39.139 16.203,39.637 16.203,40.798 15.623,41.377 15.363,41.377 15.069,41.671 MUX_R2.2@15.069,41.682
  Top w0.9: SUPP_FB2.2@9.774,48.413 10.155,48.032 11.752,48.032 12.021,47.763 12.021,47.183 12.714,46.49 CONN_H3.2@12.714,45.101
  Signal Layer 1 w0.305: 12.137,46.356 9.907,46.356 9.117,45.566 9.117,42.746 12.95,38.913 v1(13.483,38.913)
  Signal Layer 1 w0.381: 12.137,46.356 12.714,45.779 CONN_H3.2@12.714,45.101
  Bottom w0.381: MUX_R1.2@11.539,47.778 12.832,47.778 SUPP_C9.1@12.873,47.737
  Bottom w0.889: CONN_H3.2@12.714,45.101 12.714,47.578 SUPP_C9.1@12.873,47.737